# Altium PCB Main control board.PcbDoc (part 2 of 2)
Units mil, origin at the board's own origin, x right, y up, seen from the top; angles counter-clockwise.
Board outline 5901.57 x 3937.01 mil, 2 copper layers (Top Layer, Bottom Layer); 165 components, 122 nets, 529 pads, 198 vias.
Unrouted connection lines stored in the file: 1.
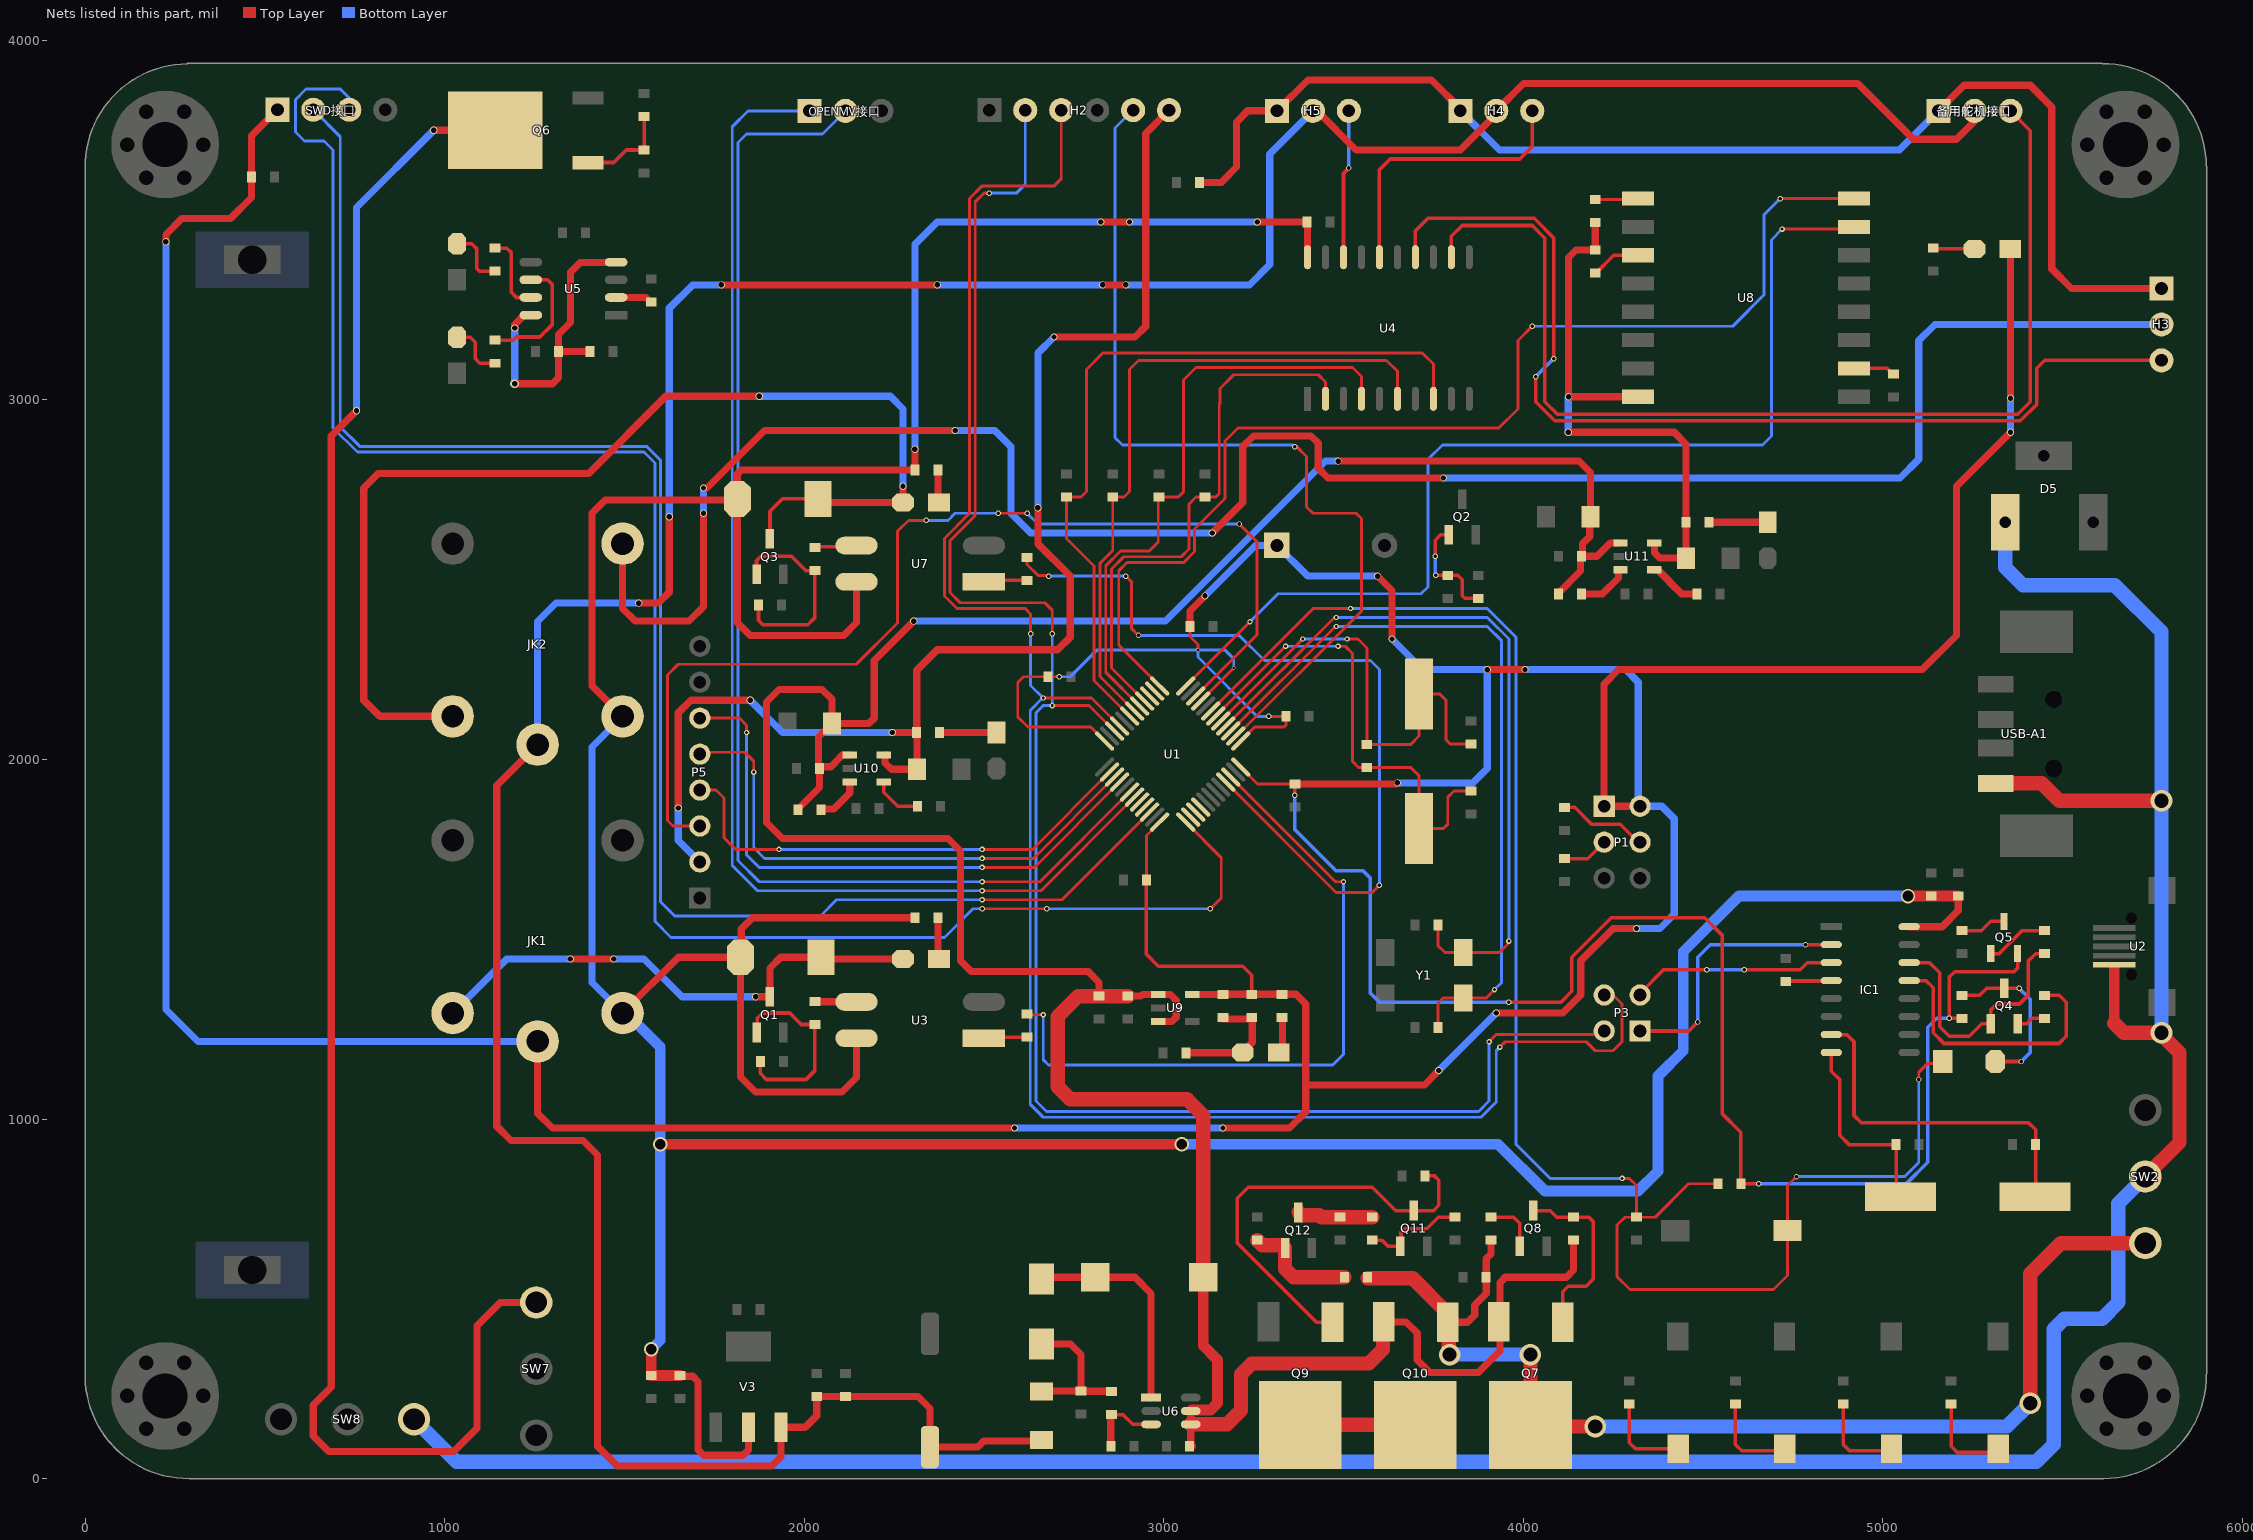
[diagram p2: the nets of this part, all layers, seen from the top]

## Via types
v1: diameter 20, hole 15, Top Layer to Bottom Layer, 88 vias
v2: diameter 15, hole 10, Top Layer to Bottom Layer, 48 vias
v3: diameter 15, hole 8, Top Layer to Bottom Layer, 35 vias
v4: diameter 118.11, hole 118.11, Top Layer to Bottom Layer, 10 vias
v5: diameter 60, hole 40, Top Layer to Bottom Layer, 6 vias
v6: diameter 40, hole 30, Top Layer to Bottom Layer, 4 vias
v7: diameter 10, hole 8, Top Layer to Bottom Layer, 4 vias
v8: diameter 25, hole 15, Top Layer to Bottom Layer, 3 vias

## Nets (pads, with @x,y where several pads share a name; then routed paths per layer and width w, separated by ;. In a path a pad name is that pad's centre, name@x,y a point inside that pad or via, vN(x,y) a via of type N, cw(c..) or ccw(c..) an arc to the next point about the centre after c; other vN are vias at no path point) (continued)
NetC19_2: C19.2 U10.4 | length 139.2
  Top Layer w10: U10.4@2221.24,1937.6 2221.24,1908.76 2260,1870 C19.2@2315.5,1870
NetC20_1: C20.1 R27.1 U5.4 U5.8 | length 882.7
  Top Layer w20: v8(1195,3045) 1300,3045 1317,3062 C20.1@1317,3135 ; v1(1195,3200) 1195,3209.42 1221.58,3236 U5.8@1240,3236 ; R27.1@1405,3135 C20.1@1317,3135 ; U5.4@1477,3383 1476.23,3382.23 1377.23,3382.23 1350,3355 1350,3215 1317,3182 C20.1@1317,3135
  Bottom Layer w20: v8(1195,3045) v1(1195,3200)
NetC23_2: C23.2 U11.4 | length 147.2
  Top Layer w20: U11.4@4364.49,2527.6 4374.02,2527.6 4407.34,2494.28 4407.34,2493.16 4440.5,2460 C23.2@4483,2460
NetC25_2: C25.2 D3.2 FU1.2 R31.2 | length 419.6
  Top Layer w10: FU1.2@2660,242.5 FU1.2@2661.5,244 ; C25.2@2770,244 C25.2@2771,243 ; R31.2@2854,243 R31.2@2855,242
  Top Layer w20: D3.2@2660,374.45 2740.55,374.45 2770,345 C25.2@2770,244 FU1.2@2661.5,244 ; C25.2@2771,243 R31.2@2854,243
NetC32_2: C32.2 IC1.4 | length 127.5
  Top Layer w10: C32.2@4730,1383 4731,1384 4855.65,1384 IC1.4@4856.65,1385
NetC33_2: C33.2 IC1.8 Y3.2 | length 557.4
  Top Layer w10: IC1.8@4856.65,1185 4856.65,1133.35 4880,1110 4880,955 4906,929 C33.2@5037,929 5037,795.99 Y3.2@5048.99,784
NetC34_2: C34.2 IC1.7 Y3.1 | length 985
  Top Layer w10: IC1.7@4856.65,1235 4900,1235 4920,1215 4920,1010 4940,990 5405,990 5425,970 C34.2@5425,929 5425,785.99 Y3.1@5423.01,784
NetD2_K: D2.2 R6.1 | length 115.8
  Top Layer w10: R6.1@5140,3422 5141,3421 5254,3421 D2.2@5255,3420
NetD3_1: D3.1 L1.1 U6.1 | length 623.8
  Top Layer w20: D3.1@2660,555.55 2664.45,560 L1.1@2810,560 2820,550 2830,560 2920,560 2965,515 U6.1@2965,225
NetD4_2: D4.2 Q4.3 R18.1 | length 466.4
  Top Layer w10: R18.1@5220,1344 5269,1344 5288.97,1363.97 Q4.3@5337.6,1363.97 v2(5378.97,1363.97) ; D4.2@5313.03,1160 v2(5385,1160)
  Bottom Layer w10: v2(5378.97,1363.97) 5410,1332.95 5410,1185 v2(5385,1160)
NetD6_1: D6.1 R23.1 | length 158
  Top Layer w20: R23.1@2377,2075 D6.1@2535,2075
NetD7_1: D7.1 R25.1 | length 163
  Top Layer w20: R25.1@4517,2660 D7.1@4680,2660
NetD8_1: D8.1 R46.1 | length 96.1
  Top Layer w20: D8.1@3320,1185 3330,1195 R46.1@3330,1277
NetDZ1_1: DZ1.1 JK1.1 LED1.2 Q1.3 | length 1452.7
  Top Layer w20: v1(1350,1445) v1(1470,1445) ; v1(1865,1340) Q1.3@1905,1340 1905,1420 1935,1450 DZ1.1@2047.2,1450 2052.2,1445 LED1.2@2275,1445
  Bottom Layer w20: JK1.1@1022.56,1294.68 1172.87,1445 v1(1350,1445) ; v1(1470,1445) 1555,1445 1660,1340 v1(1865,1340)
NetDZ2_1: DZ2.1 JK2.1 LED5.2 Q3.3 | length 3187.4
  Top Layer w10: Q3.3@1905,2613.97 1905,2690 1940,2725 DZ2.1@2038.6,2725 DZ2.1@2048.6,2715
  Top Layer w20: JK2.1@1022.56,2120 820,2120 775,2165 775,2755 815,2795 1400,2795 1615,3010 v1(1875,3010) ; DZ2.1@2062.2,2715 LED5.2@2275,2715 v1(2275,2760)
  Bottom Layer w20: v1(1875,3010) 2240,3010 2275,2975 v1(2275,2760)
NetIC1_13: IC1.13 R40.2 | length 753.5
  Top Layer w10: IC1.13@5073.35,1385 5120,1385 5140,1365 5140,1240 5170,1210 5490,1210 5510,1230 5510,1325 5491,1344 R40.2@5450,1344
NetIC1_14: IC1.14 Q4.1 R41.2 | length 722.7
  Top Layer w10: IC1.14@5073.35,1435 5130,1435 5158,1407 5158,1257 5185,1230 5240,1230 5275,1265 Q4.1@5300.2,1265 5300.2,1303.2 5316.99,1320 5380,1320 5405,1345 5405,1440 5425,1460 R41.2@5450,1460
NetLED1_1: LED1.1 R13.2 | length 116.2
  Top Layer w20: R13.2@2372,1560 2372,1448 LED1.1@2375,1445
NetLED3_2: LED3.2 R29.2 | length 168.7
  Top Layer w10: LED3.2@1035,3434 1076,3434 1090,3420 1090,3365 1097,3358 R29.2@1140,3358
NetLED4_2: LED4.2 R30.2 | length 161.2
  Top Layer w10: LED4.2@1035,3174 1071,3174 1085,3160 1085,3115 1098,3102 R30.2@1140,3102
NetLED5_1: LED5.1 R35.2 | length 91.2
  Top Layer w10: LED5.1@2372,2718 LED5.1@2375,2715
  Top Layer w20: LED5.1@2372,2718 R35.2@2372,2805
NetP1_3: P1.3 R3.2 | length 129.1
  Top Layer w10: R3.2@4115,1724 4179,1724 P1.3@4225,1770
NetP1_4: P1.4 R4.1 | length 250.2
  Top Layer w10: R4.1@4115,1867 4143,1867 4190,1820 4270,1820 4320,1770 P1.4@4325,1770
NetQ1_2: Q1.1 R14.1 R16.1 | length 554.1
  Top Layer w10: Q1.1@1867.6,1241.03 1870,1243.43 1870,1280 1885,1295 1960,1295 1992,1263 R14.1@2030,1263 2030,1135 2005,1110 1895,1110 1878,1127 R16.1@1878,1160 R16.1@1875,1163
NetQ2_2: Q2.1 R33.1 R34.2 | length 313.5
  Top Layer w10: v2(3755,2565) 3755,2610 3770,2625 Q2.1@3792.6,2625 ; v2(3757,2512) R33.1@3790,2512 3818,2512 3830,2500 3830,2455 3837,2448 R34.2@3875,2448
  Bottom Layer w10: v2(3755,2565) 3755,2514 v2(3757,2512)
NetQ3_2: Q3.1 R36.1 R38.1 | length 568.8
  Top Layer w10: Q3.1@1867.6,2515 1867.6,2552.6 1880,2565 1965,2565 2005,2525 R36.1@2030,2525 2030,2395 2010,2375 1885,2375 1873,2387 R38.1@1873,2430 R38.1@1870.3,2432.7
NetQ4_2: Q4.2 R40.1 | length 81.2
  Top Layer w10: Q4.2@5375,1265 5400,1265 5415,1280 R40.1@5450,1280
NetQ5_1: Q5.1 R41.1 | length 176.3
  Top Layer w10: Q5.1@5300.2,1460 5323.15,1460 5387.15,1524 R41.1@5450,1524
NetQ5_3: Q5.3 R42.2 | length 128.4
  Top Layer w10: R42.2@5220,1524 5274,1524 5300,1550 Q5.3@5337.6,1550
NetQ6_1: Q6.1 SW7.3 | length 4918.1
  Top Layer w20: v1(755,2970) 685,2900 685,255 635,205 635,118.72 678.72,75 1025,75 1090,140 1090,425 1155.08,490.08 SW7.3@1255,490.08 ; v1(970,3750) Q6.1@1141.06,3750
  Bottom Layer w20: v1(755,2970) 755,3535 v1(970,3750)
NetQ6_2: Q6.2 R48.2 R49.1 | length 263.5
  Top Layer w10: Q6.2@1398.94,3660.24 1470.24,3660.24 1505,3695 R48.2@1555,3695 R49.1@1555,3788
NetQ7_1: Q7.1 Q8.3 R52.1 | length 524.9
  Top Layer w10: Q8.3@4027.6,745.3 4074.7,745.3 4093,727 R52.1@4140,727 4183,727 4195,715 4195,555 4175,535 4125,535 4109.55,519.55 Q7.1@4109.55,434.77
NetQ8_2: Q8.1 R20.2 | length 150.8
  Top Layer w10: R20.2@3910,727 3973,727 3990.2,709.8 Q8.1@3990.2,646.32
NetQ9_1: Q9.1 Q11.3 R54.2 | length 1199.2
  Top Layer w10: Q9.1@3469.55,434.77 3425.23,434.77 3205,655 3205,780 3235,810 3580,810 3645,745 3694.7,745 Q11.3@3695,745.3 3750.3,745.3 3765,760 3765,830 3753.15,841.85 R54.2@3727,841.85
NetQ9_2: Q9.2 Q10.2 | length 320
  Top Layer w40: Q9.2@3380,149.65 Q10.2@3700,149.65
NetQ11_2: Q11.1 R56.2 R58.2 | length 291.6
  Top Layer w10: R56.2@3580,663 3607,663 3623.68,646.32 Q11.1@3657.59,646.32 3660,648.73 3660,685 3670,695 3731.5,695 3763.5,727 R58.2@3810,727
NetQ12_2: Q12.1 R57.2 R59.1 | length 319.6
  Top Layer w40: R59.1@3260,663 3274.12,648.88 3329.88,648.88 Q12.1@3337.44,641.32 3337.44,583.43 3360.87,560 R57.2@3503,560
NetQ12_3: Q12.3 R55.2 R56.1 | length 210.7
  Top Layer w40: Q12.3@3374.85,740.3 3382.41,732.74 3432.26,732.74 3438,727 R55.2@3490,727 R56.1@3580,727
NetR7_2: R7.2 SW3.1 | length 251
  Top Layer w10: R7.2@4295,208 4295,100 4312.31,82.69 SW3.1@4430.79,82.69
NetR8_2: R8.2 SW4.1 | length 257.6
  Top Layer w10: R8.2@4590,208 4590,95 4607.31,77.69 SW4.1@4727.45,77.69
NetR9_2: R9.2 SW5.1 | length 254.3
  Top Layer w10: R9.2@4890,208 4890,95 4907.31,77.69 SW5.1@5024.12,77.69
NetR14_2: R14.2 U3.3 | length 116.2
  Top Layer w20: R14.2@2030,1327 2030.61,1326.39 2145.06,1326.39 U3.3@2145.67,1325.79
NetR15_1: R15.1 U3.1 | length 121.2
  Top Layer w10: U3.1@2500,1225 2503,1228 R15.1@2620,1228
NetR19_2: R19.2 SW6.1 | length 256
  Top Layer w10: R19.2@5190,208 5190,90 5207.31,72.69 SW6.1@5320.79,72.69
NetR22_1: R22.1 U10.3 | length 130
  Top Layer w20: R22.1@2047,1860 2049.5,1862.5 2082.5,1862.5 2126.75,1906.75 U10.3@2126.75,1937.6
NetR24_1: R24.1 U11.3 | length 155.6
  Top Layer w20: R24.1@4162,2460 4220,2460 4265,2505 4265,2523.07 4260.47,2527.6 U11.3@4270,2527.6
NetR28_2: R28.2 U5.2 | length 103
  Top Layer w20: U5.2@1477,3285 1560.5,3285 1572.5,3273 R28.2@1575,3273
NetR29_1: R29.1 U5.7 | length 221.2
  Top Layer w10: R29.1@1140,3422 1173,3422 1185,3410 1185,3300 1200,3285 U5.7@1240,3285
NetR30_1: R30.1 U5.6 | length 354
  Top Layer w10: R30.1@1140,3166 1191,3166 1200,3175 1265,3175 1300,3210 1300,3320 1286,3334 U5.6@1240,3334
NetR31_1: R31.1 R32.2 U6.3 | length 210
  Top Layer w10: R31.1@2853,176 R31.1@2855,178 2887,178 2914,151 U6.3@2965,151
  Top Layer w20: R32.2@2853,90 R31.1@2853,176
NetR36_2: R36.2 U7.3 | length 118.2
  Top Layer w10: R36.2@2030,2589 2033,2592 2142.67,2592 U7.3@2145.67,2595
NetR37_1: R37.1 U7.1 | length 121.6
  Top Layer w10: U7.1@2500,2494.21 2503.79,2498 R37.1@2620,2498
NetR43_2: R43.2 U8.3 | length 140.1
  Top Layer w10: R43.2@4200,3353 4202.5,3353 4252.02,3402.52 U8.3@4319.61,3402.52
NetR44_1: R44.1 U8.10 | length 124.3
  Top Layer w10: U8.10@4925.56,3082 U8.10@4920,3087.56 5011.94,3087.56 5027.5,3072 R44.1@5030,3072
NetR51_2: R51.2 U8.1 | length 120.8
  Top Layer w8: R51.2@4200,3557 4316.61,3557 U8.1@4319.61,3560
NO: H3.2 JK2.5 | length 5776.4
  Top Layer w20: JK2.5@1495,2600.32 1495,2420 1530,2385 1680,2385 1720,2425 v1(1720,2685) ; v1(1720,2755) 1730,2755 1890,2915 v1(2420,2915) ; v1(3135,2630) 3220,2715 3220,2870 3250,2900 3410,2900 3430,2880 3430,2810 3457.06,2782.94 v1(3777.94,2782.94)
  Bottom Layer w20: v1(1720,2685) v1(1720,2755) ; v1(2420,2915) 2530,2915 2575,2870 2575,2685 2630,2630 v1(3135,2630) ; v1(3777.94,2782.94) 5047.94,2782.94 5100,2835 5100,3165 5145,3210 H3.2@5775,3210
OSCIN: C11.2 R2.2 U1.5 Y2.2 | length 1321
  Top Layer w8: U1.5@3158.63,2106.87 v3(3386.76,2335) v3@3390,2335 ; v3(3510,2335) 3540,2335 3565,2310 R2.2@3565,2042 3687,2042 3710,2065 Y2.2@3710,2182.01 3767.99,2182.01 3785,2165 3785,2055 3797,2043 C11.2@3855,2043
  Bottom Layer w8: v3(3386.76,2335) v3(3510,2335)
OSCOUT: C13.2 R2.1 U1.6 Y2.1 | length 1350.7
  Top Layer w8: U1.6@3144.71,2120.79 v3(3338.92,2315) v3@3340,2315 ; v3(3485,2315) 3505,2315 3525,2295 3525,1995 3542,1978 R2.1@3565,1978 3687,1978 3710,1955 Y2.1@3710,1807.99 3777.99,1807.99 3790,1820 3790,1895 3807,1912 C13.2@3855,1912
  Bottom Layer w8: v3(3338.92,2315) v3(3485,2315)
OUT5V: Q7.2 Q10.1 R20.1 R53.2 R57.1 SW2.1 | length 3244.7
  Top Layer w20: Q10.1@3789.55,434.77 3844.77,434.77 3865,455 3865,482.5 3897,514.5 R53.2@3897,560 3897,612 3910,625 R20.1@3910,663 ; Q7.2@4020,149.65 Q7.2@4024.65,145
  Top Layer w40: R57.1@3567,557 3692.32,557 3789.55,459.77 Q10.1@3789.55,434.77 3792.28,432.05 3792.28,347.72 v5(3795,345) ; Q7.2@4020,149.65 v5(4020,345) ; Q7.2@4024.65,145 v5(4200,145) ; v5(5410,210) 5410,570 5494.96,654.96 SW2.1@5730,654.96
  Bottom Layer w40: v5(3795,345) v5(4020,345) ; v5(4200,145) 5345,145 v5(5410,210)
PA0/CLK: P5.3 U1.10 | length 3009.5
  Top Layer w8: P5.3@1710,1815 1635,1815 1620,1830 1620,2235 1650,2265 2145,2265 2260,2380 2260,2635 2290,2665 v2(2340,2665) ; v2(2540,2685) v2(2620,2685) ; U1.10@3089.03,2176.47 3260,2347.44 3260,2605 v2(3210,2655)
  Bottom Layer w8: v2(2340,2665) 2400,2665 2420,2685 v2(2540,2685) ; v2(2620,2685) 2650,2655 v2(3210,2655)
PA11: U1.32
PA12: U1.33
PA15: U1.38
PB3: U1.39
PB4: U1.40
PB8: R37.2 U1.45 | length 2359.8
  Top Layer w8: R37.2@2620,2562 2620,2542.47 2651.13,2511.34 2678.66,2511.34 v2(2680,2510) ; v2(2895,2510) 2910,2495 2910,2365 v2(2930,2345) ; U1.45@3172.55,1937.05 3479.6,1630 3580,1630 v2(3600,1650)
  Bottom Layer w8: v2(2680,2510) v2(2895,2510) ; v2(2930,2345) 3210,2345 3280,2275 3575,2275 3600,2250 v2(3600,1650)
PB9: R15.2 U1.46 | length 1938.5
  Top Layer w8: R15.2@2620,1292 2622,1290 v3(2665,1290) ; U1.46@3186.47,1950.97 3477.44,1660 v3(3500,1660)
  Bottom Layer w8: v3(2665,1290) 2665,1165 2680,1150 3470,1150 3500,1180 v3(3500,1660)
PB13/MOSI: P5.4 U1.26 | length 1361.4
  Top Layer w8: P5.4@1710,1915 1755,1915 1777.5,1892.5 1777.5,1782.5 1810,1750 v3(1930,1750) ; v3(2495,1750) 2634.73,1750 U1.26@2849.62,1964.89
  Bottom Layer w8: v3(1930,1750) v3(2495,1750)
PB14/RES: P5.5 U1.27 | length 1512
  Top Layer w8: P5.5@1710,2015 1715,2020 1835,2020 1860,1995 v3(1860,1965) ; v3(2495,1725) 2637.56,1725 U1.27@2863.53,1950.97
  Bottom Layer w8: v3(1860,1965) 1860,1755 1890,1725 v3(2495,1725)
PB15/DC: P5.6 U1.28 | length 1648.4
  Top Layer w8: P5.6@1710,2115 1820,2115 1840,2095 v3(1840,2075) ; v3(2495,1700) 2640.4,1700 U1.28@2877.45,1937.05
  Bottom Layer w8: v3(1840,2075) 1840,1735 1875,1700 v3(2495,1700)
PC13: H2.5 U1.2 | length 2543
  Top Layer w8: U1.2@3200.38,2065.11 3202.69,2065.11 3550,2412.42 3550,2670 3535,2685 3415,2685 3397.5,2702.5 3397.5,2842.5 3370,2870 v2(3365,2870)
  Bottom Layer w8: H2.5@2915,3806 2865,3756 2865,2895 2885,2875 3360,2875 v2(3365,2870)
PC14: C1.2 U1.3 Y1.4 | length 2109.2
  Top Layer w8: U1.3@3186.47,2079.03 3477.44,2370 v3(3480,2370) ; C1.2@3763,1255 3763,1323 3777.01,1337.01 Y1.4@3833.27,1337.01 3897.01,1337.01 v3(3920,1360)
  Bottom Layer w8: v3(3480,2370) 3900,2370 3940,2330 3940,1380 v3(3920,1360)
PC15: C2.2 U1.4 Y1.1 | length 2056.5
  Top Layer w8: U1.4@3172.55,2092.95 3330.8,2251.2 3331.2,2251.2 3475,2395 v3(3480,2395) ; C2.2@3763,1540 3763,1482 3782.01,1462.99 Y1.1@3833.27,1462.99 3932.99,1462.99 3960,1490 v3(3960,1495)
  Bottom Layer w8: v3(3480,2395) 3900,2395 3960,2335 v3(3960,1495)
PWM1/PA6: H5.3 U4.18 | length 413.4
  Top Layer w10: U4.18@3500,3396.85 3500,3630 v2(3515,3645)
  Bottom Layer w10: v2(3515,3645) H5.3@3515,3804
PWM2/PA7: H4.3 U4.16 | length 794.1
  Top Layer w10: U4.16@3600,3396.85 3600,3640 3630,3670 3990,3670 4025,3705 H4.3@4025,3804
PWM3/PB0: H3.3 U4.14 | length 2862.1
  Top Layer w10: U4.14@3700,3396.85 3700,3470 3735,3505 4030.46,3505 4085,3450.46 v2(4085,3115) ; v2(4035,3065) 4035,2994.54 4087.54,2942 5382.46,2942 5428,2987.54 5428,3088 5450,3110 H3.3@5775,3110
  Bottom Layer w10: v2(4035,3065) v2(4085,3115)
PWM4/PB1: U4.12 备用舵机接口.3 | length 3010.8
  Top Layer w10: U4.12@3800,3396.85 3800,3455 3830,3485 4025,3485 4060,3450 4060,2995 4095,2960 5375,2960 5410,2995 5410,3749 备用舵机接口.3@5355,3804
RESET: C12.2 D4.1 R1.1 SW1.2 U1.7 | length 4829
  Top Layer w8: U1.7@3130.79,2134.71 3416.08,2420 v3(3520,2420) ; v3(4275,835) 4295,835 4315,815 C12.2@4315,727 ; R1.1@4541,820 4460,820 4367,727 C12.2@4315,727 ; v2(4760,840) 4735,815 SW1.2@4735,690 4735,565 4696,526 4296.63,526 4261,561.63 4261,705 4283,727 C12.2@4315,727 ; v2(5100,1110) 5100,1130 5125,1155 5161.97,1155 D4.1@5166.97,1160
  Bottom Layer w8: v3(3520,2420) 3900,2420 3980,2340 3980,930 4075,835 v3(4275,835) ; v2(4760,840) 5060.96,840 5100,879.04 v2(5100,1110)
RX/PA3: U1.13 U8.16 | length 3226.1
  Top Layer w8: U1.13@2988.81,2204.3 2875,2318.11 2875,2525 2898,2548 3055.63,2548 3086,2578.37 3086,2641 3170.5,2725.5 3170.5,2885.5 3207,2922 3932,2922 3985,2975 3985,3165 v2(4025,3205) ; v2(4715,3560) 4890,3560 4900,3550 4910,3560 4915,3555 U8.16@4920,3560
  Bottom Layer w8: v2(4025,3205) 4582.63,3205 4670,3292.37 4670,3515 v2(4715,3560)
RX/PA10: OPENMV接口.1 U1.31 | length 3544.2
  Top Layer w8: v3(2495,1635) 2658.92,1635 U1.31@2919.21,1895.29
  Bottom Layer w8: OPENMV接口.1@2015,3804 1844,3804 1800,3760 1800,1705 1870,1635 v3(2495,1635)
RX/PB11: H2.2 P3.2 U1.22 | length 5168.3
  Top Layer w8: v2(2515,3575) 2500,3575 2476,3551 2476,2678.37 2406,2608.37 2406,2464 2434,2436 2669,2436 2690,2415 v2(2690,2350) ; v3(2690,2150) 2792.56,2150 U1.22@2863.53,2079.03 ; v3(3905,1215) 3925,1235 4213.59,1235 4223.59,1245 P3.2@4225,1245
  Bottom Layer w8: v2(2515,3575) 2590,3575 2615,3600 H2.2@2615,3806 ; v2(2690,2350) v3(2690,2150) 2665,2150 2645,2130 2645,1050 2674,1021 3876,1021 3905,1050 v3(3905,1215)
RXD: IC1.3 P3.3 | length 571.9
  Top Layer w10: P3.3@4325,1345 4325,1350 4390,1415 v2(4510,1415) ; v2(4615,1415) 4770,1415 4790,1435 IC1.3@4856.65,1435
  Bottom Layer w10: v2(4510,1415) v2(4615,1415)
SCL/PA4: U1.14
SDA/PA5: U1.15
Steer_GND: H3.1 H4.1 H5.1 R47.2 备用舵机接口.1 | length 3522.8
  Top Layer w20: R47.2@3100,3605 3160,3605 3202.5,3647.5 3202.5,3772.5 3234,3804 H5.1@3315,3804 3401,3890 3745,3890 3825,3810 H4.1@3825,3804 ; 备用舵机接口.1@5155,3804 5226,3875 5410,3875 5470,3815 5470,3365 5525,3310 H3.1@5775,3310
  Bottom Layer w20: H4.1@3825,3804 3934,3695 5046,3695 备用舵机接口.1@5155,3804
SWDCLK: SWD接口.3 U1.37 | length 5295.3
  Top Layer w8: v2(2495,1585) v2(2675,1585) ; U1.37@3061.19,1825.7 3160,1726.89 3160,1615 v2(3130,1585)
  Bottom Layer w8: SWD接口.3@735,3807 735,3840 710,3865 615,3865 585,3835 585,3745 610,3720 665,3720 690,3695 690,2922.37 757.37,2855 1555,2855 1585,2825 1585,1550 1630,1505 2390,1505 2470,1585 v2(2495,1585) ; v2(2675,1585) v2(3130,1585)
SWDIO: SWD接口.2 U1.34 | length 4566
  Top Layer w8: v3(2495,1610) 2717.44,1610 U1.34@2960.97,1853.53
  Bottom Layer w8: SWD接口.2@635,3807 710,3732 710,2925 764,2871 1561.63,2871 1601,2831.63 1601,1604 1640,1565 2045.07,1565 2090.07,1610 v3(2495,1610)
TIM3_CH1/PA6: R10.1 U1.16 U4.2 | length 1522.5
  Top Layer w8: U1.16@2947.05,2162.55 2855,2254.6 2855,2530 2889,2564 3049,2564 3070,2585 3070,2710 3090,2730 R10.1@3115,2730 3145,2730 3154.5,2739.5 3154.5,2988.39 3157,2990.89 3157,3032 3195,3070 3430,3070 3450,3050 U4.2@3450,3003.15
TIM3_CH2/PA7: R11.1 U1.17 U4.4 | length 1694.8
  Top Layer w8: U1.17@2933.13,2148.63 2839,2242.76 2839,2539 2880,2580 2960,2580 2985,2605 2985,2728.33 R11.1@2986.67,2730 3040.31,2730 3055,2744.69 3055,3055 3090,3090 3525,3090 3550,3065 U4.4@3550,3003.15
TIM3_CH3/PB0: R12.1 U1.18 U4.6 | length 1887.3
  Top Layer w8: U1.18@2919.21,2134.71 2823,2230.92 2823,2545.63 2858.33,2580.96 R12.1@2858.33,2730 2890,2730 2905,2745 2905,3085 2930,3110 3620,3110 3650,3080 U4.6@3650,3003.15
TIM3_CH4/PB1: R17.1 U1.19 U4.8 | length 2176
  Top Layer w8: U1.19@2905.29,2120.79 2806.58,2219.5 2806.58,2538.42 2730,2615 R17.1@2730,2730 2770,2730 2785,2745 2785,3085 2830,3130 3720,3130 3750,3100 U4.8@3750,3003.15
TPS_GND: C37.1 C38.1 D8.2 R21.2 | length 343.9
  Top Layer w20: R21.2@3062,1184 3062.5,1184.5 3219.5,1184.5 D8.2@3220,1185 3220,1186.64 3246.5,1213.14 3246.5,1278 C37.1@3165,1278
TX/PA2: U1.12 U8.15 | length 2914.9
  Top Layer w8: U1.12@3061.19,2204.3 v3(3240,2383.11) ; v3(4720,3475) 4913.74,3475 U8.15@4920,3481.26
  Bottom Layer w8: v3(3240,2383.11) 3317.89,2461 3716,2461 3735,2480 3735,2835 3775,2875 4665,2875 4690,2900 4690,3445 v3(4720,3475)
TX/PA9: OPENMV接口.2 U1.30 | length 3549.4
  Top Layer w8: v3(2495,1660) 2656.08,1660 U1.30@2905.29,1909.21
  Bottom Layer w8: OPENMV接口.2@2115,3804 2051,3740 1840,3740 1816,3716 1816,1719 1875,1660 v3(2495,1660)
TX/PB10: H2.3 P3.4 U1.21 | length 5520.1
  Top Layer w8: v2(2630,2350) 2630,2405 2615,2420 2425,2420 2390,2455 2390,2615 2460,2685 2460,3560 2495.5,3595.5 2695.5,3595.5 2715,3615 H2.3@2715,3806 ; v3(2665,2171) 2799.4,2171 U1.21@2877.45,2092.95 ; v3(3935,1200) 3950,1215 4175,1215 4200,1190 4250,1190 4275,1215 4275,1320 4250,1345 P3.4@4225,1345
  Bottom Layer w8: v2(2630,2350) 2630,2206 v3(2665,2171) 2663.37,2171 2629,2136.63 2629,1041 2665,1005 3882.63,1005 3925,1047.37 3925,1190 v3(3935,1200)
TXD: IC1.2 P3.1 | length 736.5
  Top Layer w10: P3.1@4325,1245 4460,1245 v2(4485,1270) ; v2(4785,1485) IC1.2@4856.65,1485
  Bottom Layer w10: v2(4485,1270) 4485,1450 4520,1485 v2(4785,1485)
VCC: D5.1 SW2.2 SW8.3 U2.5 USB-A1.1 | length 8531
  Top Layer w20: USB-A1.1@5313.58,1933.66 USB-A1.1@5314.85,1932.39
  Top Layer w30: 5643.9,1266.1 U2.5@5643.9,1421.69
  Top Layer w40: USB-A1.1@5313.58,1933.66 5441.94,1933.66 5490.6,1885 v5(5775,1885) ; 5643.9,1266.1 5670,1240 v5(5775,1240) 5775,1234.59 5825,1184.59 5825,935 SW2.2@5730,840
  Bottom Layer w40: SW8.3@915.04,165 1033.04,47 5427,47 5475,95 5475,415 5505,445 5610,445 5655,490 5655,765 SW2.2@5730,840 ; D5.1@5340.91,2660 5340.91,2534.09 5390,2485 5645,2485 5775,2355 v5(5775,1885) v5(5775,1240)
VCC3V3: B1.1 C3.2 C4.2 C5.2 C6.2 C7.2 C14.2 C37.2 C38.2 D2.1 JK1.3 P1.1 P1.2 Q5.2 R1.2 R18.2 R46.2 SWD接口.1 U1.1 U1.9 U1.24 U1.36 U1.48 U9.5 | length 20451.5
  Top Layer w8: v2(2710,2230) C6.2@2678,2230 2610,2230 2594,2214 2594,2118.37 2622.37,2090 2796.89,2090 U1.24@2835.7,2051.19 ; C5.2@2952,1665 2952,1788.89 U1.36@2988.81,1825.7 ; C7.2@3073,2370 3073,2342 3095,2320 v7(3095,2305) ; U1.9@3102.95,2162.55 3195,2254.6 v7(3195,2255) ; U1.48@3214.3,1978.81 3261.11,1932 C4.2@3365,1932 ; U1.1@3214.3,2051.19 3253.11,2090 3335,2090 3340,2095 C3.2@3340,2120 v2(3292,2120)
  Top Layer w10: C5.2@2952,1665 C5.2@2952,1660 ; C5.2@2957,1665 C5.2@2952,1660 ; C38.2@3245,1347 3245,1400 3220,1425 2985,1425 2952,1458 C5.2@2952,1660 ; v2(3365,1900) C4.2@3365,1932 ; v2(3960,1325) 4105,1325 4135,1355 4135,1450 4245,1560 4505,1560 4553,1512 4553,1015.33 4605,963.33 R1.2@4605,820 v2(4655,820) ; R18.2@5220,1280 v2(5185,1280) 5185,1395 5200,1410 5365,1410 5375,1420 Q5.2@5375,1460
  Top Layer w20: v1(225,3440) 225,3460 270,3505 405,3505 463,3563 C14.2@463,3620 463,3735 SWD接口.1@535,3807 ; JK1.3@1258.78,1215.94 1258.78,1016.22 1300,975 v1(2585,975) ; C7.2@3073,2370 3073,2413 v1(3115,2455) ; U9.5@3079.49,1346.4 C37.2@3158.1,1346.4 ; v1(3165,975) 3350,975 3395,1020 3395,1095 ; C37.2@3165,1347 C38.2@3245,1347 R46.2@3329,1347 3368,1347 3395,1320 3395,1095 ; C4.2@3365,1932 3647,1932 v1(3650,1935) ; v1(3595,2510) 3635,2470 v1(3635,2335) ; v1(3765,1135) 3725,1095 3395,1095 ; v1(3900,2250) v1(4005,2250) ; v1(3925,1295) 4110,1295 4160,1345 4160,1440 4250,1530 v1(4315,1530) ; P1.2@4325,1870 P1.1@4225,1870 4225,2210 4265,2250 5110,2250 5205,2345 5205,2760 v1(5355,2910) ; v1(5355,3005) D2.1@5355,3420
  Bottom Layer w8: v2(2710,2230) 2740,2230 2815,2305 v7(3095,2305) ; v7(3195,2255) 3195,2280 3170,2305 v7(3095,2305) ; v2@3290,2120 3260,2120 3095,2285 v7(3095,2305)
  Bottom Layer w10: v2(3365,1900) 3365,1805 3480,1690 3555,1690 3575,1670 3575,1350 3600,1325 v2(3960,1325) ; v2(4655,820) 4655.5,819.5 5064.5,819.5 5125,880 5125,1255 5150,1280 v2(5185,1280)
  Bottom Layer w20: v1(225,3440) 225,1305 314.06,1215.94 JK1.3@1258.78,1215.94 ; v1(2585,975) v1(3165,975) ; v1(3115,2455) 3255.43,2595.43 B1.1@3314.97,2595.43 3400.39,2510 v1(3595,2510) ; v1(3635,2335) 3720,2250 v1@3895,2250 ; v1(3650,1935) 3860,1935 3900,1975 v1(3900,2250) ; v1(3765,1135) v1(3925,1295) ; v1(4005,2250) 4285,2250 4320,2215 4320,1875 P1.2@4325,1870 4385,1870 4420,1835 4420,1570 4380,1530 v1(4315,1530) ; v1(5355,2910) v1(5355,3005)
VCC5V: C15.2 C26.2 C27.2 C30.1 C31.1 DZ1.2 DZ2.2 IC1.16 JK1.2 JK2.2 R13.1 R35.1 U3.4 U4.20 U7.4 V3.2 | length 13037.2
  Top Layer w20: JK1.2@1495,1294.68 1650.32,1450 DZ1.2@1822.8,1450 ; JK2.2@1495,2120 1410,2205 1410,2685 1447,2722 1811.19,2722 DZ2.2@1814.19,2725 ; v6(1600,930) v6@1610,930 ; C27.2@1655,287 1657.5,284.5 1690.5,284.5 1705,270 1705,80 1720,65 1830,65 1845,80 V3.2@1845,142.8 ; U3.4@2145.67,1225 2145.67,1115.67 2105,1075 1865,1075 1822.8,1117.2 DZ1.2@1822.8,1450 ; U7.4@2145.67,2494.21 2145.67,2380.67 2110,2345 1850,2345 1814.19,2380.81 DZ2.2@1814.19,2725 ; R13.1@2308,1560 1856.72,1560 1825,1528.28 1825,1452.2 DZ1.2@1822.8,1450 ; v1(2308,2863) R35.1@2308,2805 1825.9,2805 1814.19,2793.28 DZ2.2@1814.19,2725 ; v1(2825,3495) v1(2905,3495) ; v1(3260,3495) 3395.5,3495 3399.84,3490.66 3399.84,3397.01 U4.20@3400,3396.85 ; IC1.16@5073.35,1535 5165,1535 5210,1580 C31.1@5210,1621 C31.1@5209.5,1620.5 ; C30.1@5135,1620 C30.1@5135.5,1620.5
  Top Layer w30: v6(1575,360) C26.2@1575,287 C27.2@1655,287 ; v6@1610,930 v6(3050,930) ; v6(5070,1620) C30.1@5135,1620 ; C30.1@5135.5,1620.5 C31.1@5209.5,1620.5
  Bottom Layer w20: JK2.2@1495,2120 1410,2035 1410,1379.68 JK1.2@1495,1294.68 JK1.2@1505.32,1294.68 ; v1(2308,2863) 2308,3433 2370,3495 v1(2825,3495) ; v1(2905,3495) v1(3260,3495)
  Bottom Layer w30: JK1.2@1505.32,1294.68 1600,1200 v6(1600,930) 1600,385 v6(1575,360) ; v6(3050,930) 3930,930 4060.5,799.5 4319.5,799.5 4375,855 4375,1120 4445,1190 4445,1465 4600,1620 v6(5070,1620)
VCC6V6: C28.2 C29.2 CE1.1 FU1.1 H4.2 H5.2 JK2.3 V3.3 备用舵机接口.2 | length 9588.7
  Top Layer w20: JK2.3@1258.78,2041.26 1145,1927.48 1145,980 1185,940 1385,940 1425,900 1425,90 1480,35 1910,35 1935.55,60.55 V3.3@1935.55,142.8 2002.8,142.8 2035,175 C28.2@2035,228 C29.2@2115,228 2317,228 2350,195 CE1.1@2350,87.52 2482.52,87.52 2500,105 2657.5,105 FU1.1@2660,107.5 ; v1(1540,2435) 1595,2435 1625,2465 v1(1625,2675) ; v1(1770,3320) v1(2370,3320) ; v1(2830,3320) v1(2895,3320) ; H5.2@3415,3804 3426,3804 3535,3695 3825,3695 3925,3795 H4.2@3925,3804 4001,3880 4930,3880 5085,3725 5205,3725 5255,3775 备用舵机接口.2@5255,3804
  Bottom Layer w20: JK2.3@1258.78,2041.26 1258.78,2383.78 1310,2435 v1(1540,2435) ; v1(1625,2675) 1625,3255 1690,3320 v1(1770,3320) ; v1(2370,3320) v1(2830,3320) ; v1(2895,3320) 3238.28,3320 3295,3376.72 3295,3684 H5.2@3415,3804
VCCHARDWARE: C9.1 H2.6 P5.2 R23.2 U10.5 | length 3812.5
  Top Layer w20: v1(1650,1865) 1650,2130 1685,2165 v1(1850,2165) ; U10.5@2221.24,2012.4 2230.77,2012.4 2225,2006.63 2225,1990.24 2242.64,1972.6 C9.1@2314.24,1972.6 2313.62,1973.22 2313.62,2074.38 R23.2@2313,2075 ; v1(2245,2075) R23.2@2313,2075 ; v1(2650,2700) 2650,2600 2740,2510 2740,2340 2705,2305 2370,2305 2313,2248 R23.2@2313,2075 ; v1(2695,3175) 2920,3175 2950,3205 2950,3741 H2.6@3015,3806
  Bottom Layer w20: v1(1650,1865) 1650,1775 P5.2@1710,1715 ; v1(1850,2165) 1940,2075 v1(2245,2075) ; v1(2650,2700) 2650,3130 v1(2695,3175)
VCCIN: C8.1 C10.2 C16.1 C18.2 C22.2 C35.2 C36.2 L1.2 Q7.3 Q10.3 R22.2 R24.2 R52.2 U6.4 U6.5 U9.1 U9.3 U10.1 U11.1 | length 9137.5
  Top Layer w20: R22.2@1983,1860 1983,1862.5 2042.5,1922 C10.2@2042.5,1975 ; U10.1@2126.75,2012.4 2126.59,2012.24 2106.18,2012.24 2087.07,1993.13 2087.07,1992.07 2075,1980 2045,1980 2042.5,1977.5 C10.2@2042.5,1975 ; v1(2305,2385) 2195,2275 2195,2115 2180,2100 C8.1@2077.5,2100 ; C35.2@2820,1342 2820,1380 2790,1410 2465,1410 2435,1440 2435,1745 2400,1780 1940,1780 1895,1825 1895,2160 1930,2195 2050,2195 2077.5,2167.5 C8.1@2077.5,2100 ; C36.2@2900,1342 2937,1342 2941.4,1346.4 U9.1@2985,1346.4 2985.16,1346.24 3018.76,1346.24 3035,1330 3035,1283.31 3023.28,1271.6 U9.3@2985,1271.6 ; U6.5@3075,188 U6.4@3075,151 3075,95.5 C22.2@3080.5,90 ; v1(3485,2830) 4155,2830 4187,2798 C16.1@4187,2675 4185,2673 4185,2620 4165,2600 4165,2570.5 4162,2567.5 C18.2@4162,2565 ; Q10.3@3611.55,435.77 3674.23,435.77 3705,405 3705,330 3740,295 3875,295 3935,355 3935,432.32 Q7.3@3931.55,435.77 3935,439.22 3935,545 3950,560 4120,560 4140,580 R52.2@4140,663 ; R24.2@4098,2460 4098,2462.5 4159.5,2524 4159.5,2562.5 C18.2@4162,2565 ; U11.1@4270,2602.4 4269.84,2602.24 4242.24,2602.24 4205,2565 C18.2@4162,2565 ; C10.2@2042.5,1975 2040,1977.5 2040,2062.5 C8.1@2077.5,2100
  Top Layer w30: U6.5@3075,188 3078,191 3131,191 3150,210 3150,330 3110,370 L1.2@3110,560
  Top Layer w40: C36.2@2900,1342 C35.2@2820,1342 2762,1342 2705,1285 2705,1090 2740,1055 3065,1055 3110,1010 L1.2@3110,560 ; U6.4@3075,151 3176,151 3215,190 3215,290 3245,320 3570,320 3610,360 3610,434.22 Q10.3@3611.55,435.77
  Bottom Layer w20: v1(2305,2385) 3005,2385 3450,2830 v1(3485,2830)
VCCWIFI: C17.1 R25.2 R43.1 R51.1 U8.8 U11.5 | length 1619.2
  Top Layer w20: v1(4125,2910) 4420,2910 4453,2877 R25.2@4453,2660 C17.1@4453,2560 4380,2560 4365,2575 4365,2602.24 4364.84,2602.4 U11.5@4364.49,2602.4 ; R51.1@4200,3493 R43.1@4200,3417 4147,3417 4126.18,3396.18 v1(4126.18,3008.82) U8.8@4319.61,3008.82
  Bottom Layer w20: v1(4125,2910) 4125,3007.64 v1(4126.18,3008.82)
pads on no net: IC1.9 IC1.10 IC1.11 IC1.12 IC1.15 JK1.4 JK2.4 P5.7 P5.8 SP1.1 SP2.1 SP3.1 SP4.1 SW2.3 SW7.1 SW8.1 U2. U2.MH1 U2.MH2 U4.3 U4.5 U4.7 U4.9 U6.6 U8.2 U8.4 U8.5 U8.6 U8.7 U8.11 U8.12 U8.13 U8.14 U9.4 USB-A1.7 USB-A1.8 V3.4 Y1.2 Y1.3
copper on no net:
  other v4: 1250,825 2980,825 1710,1074.17 4788.74,1074.17 4980,2045 1710,2860 4788.74,2860 1250,2965 2980,2965 1715,3755

## Polygon pours and split planes (outlines as drawn)
no net on Top Overlay (solid): 285,3934.99
no net on Top Layer "Top Layer-No Net" (solid, pour order 4): 5575,1415
no net on Top Layer "Top Layer-No Net 1" (solid, pour order 0): 5670,1375

## Keep-outs
Keep-Out Layer:
  lines w10: 285,3934.99 ccw(c287.5,3647.49) 0,3644.99 0,285 ccw(c287.5,287.5) 290,0 5615,0 ccw(c5612.5,287.5) 5900,290 ; 285,3937.01 5610,3937.01 ; 5610,3935 cw(c5612.5,3647.5) 5900,3650 ; 5901.57,290 5901.57,3650

## Other copper
Top Layer:
  pour cut-out: 5570,1440

## Silkscreen, mask and mechanical layers (free items; w line width, h text height)
Top Overlay:
  drawing of 24 lines, arcs and shapes, not listed
  text "指纹模块接口" at 2495,3580 h80
  text "舵机接口一" at 3240,3570 h80
  text "舵机接口二" at 3735,3570 h80
  text "充电中" at 965,3280 h80 r90
  text "测试指示灯" at 5060,3225 h80
  text "完成" at 965,3045 h80 r90
  text "门舵机接口" at 5585,3015 h80 r90
  text "门继电器" at 1120,2805 h80
  text "WIFI供电" at 4150,2320 h100
  text "GND" at 5085,2190 h60
  text "LCD/指纹供电" at 1920,2175 h100
  text "VCC" at 5075,1910 h60
  text "BOOT" at 4415,1865 h80 r270
  text "GND" at 5495,1565 h50
  text "MCU供电" at 2895,1415 h100
  text "VCC" at 5495,1375 h50
  text "OUT" at 5645,1160 h80
  text "OFF" at 5390,1055 h80
  text "指纹继电器" at 1065,1045 h80
  text "RESET" at 4465,875 h80
  text "BAT" at 1170,630 h80
  text "ON" at 5440,570 h80
  text "ON" at 1410,505 h80
  text "KEY3" at 4933.33,475 h80
  text "KEY1" at 4350,474.11 h80
  text "KEY2" at 4641.67,474.11 h80
  text "KEY4" at 5225,474.11 h80
  text "ON" at 905,345 h80
  text "OFF" at 380,340 h80
  text "充电" at 650,340 h80
  text "OFF" at 1420,65 h80
Top Solder:
  lines w20: 1668.47,3070 1759.57,3410 1960,3410 3200,3410 3261.08,3410 3169.97,3070 1770,3070 1668.47,3070
  text "STM32智能门禁系统主板" at 1775,3195 h120

## Text inside footprints (layer, text, board x,y; h text height)
P1: Top Overlay "1" at 4244.13,1941.15 h30 r90; Top Overlay "1" at 4350,1940 h30 r90; Top Overlay "0" at 4205,1610 h30 r270; Top Overlay "0" at 4305,1610 h30 r270
P3: Top Overlay "1" at 4335,1170 h30 r90; Top Overlay "2" at 4235,1165 h30 r90; Top Overlay "4" at 4235,1405 h30 r90; Top Overlay "3" at 4335,1405 h30 r90
USB-A1: Top Overlay "GND" at 5395,2211.46 h30; Top Overlay "D+" at 5395,2091.46 h30; Top Overlay "D-" at 5395,2011.46 h30; Top Overlay "VCC" at 5395,1891.46 h30